# KiCad board lakemountain.kicad_pcb (continued)
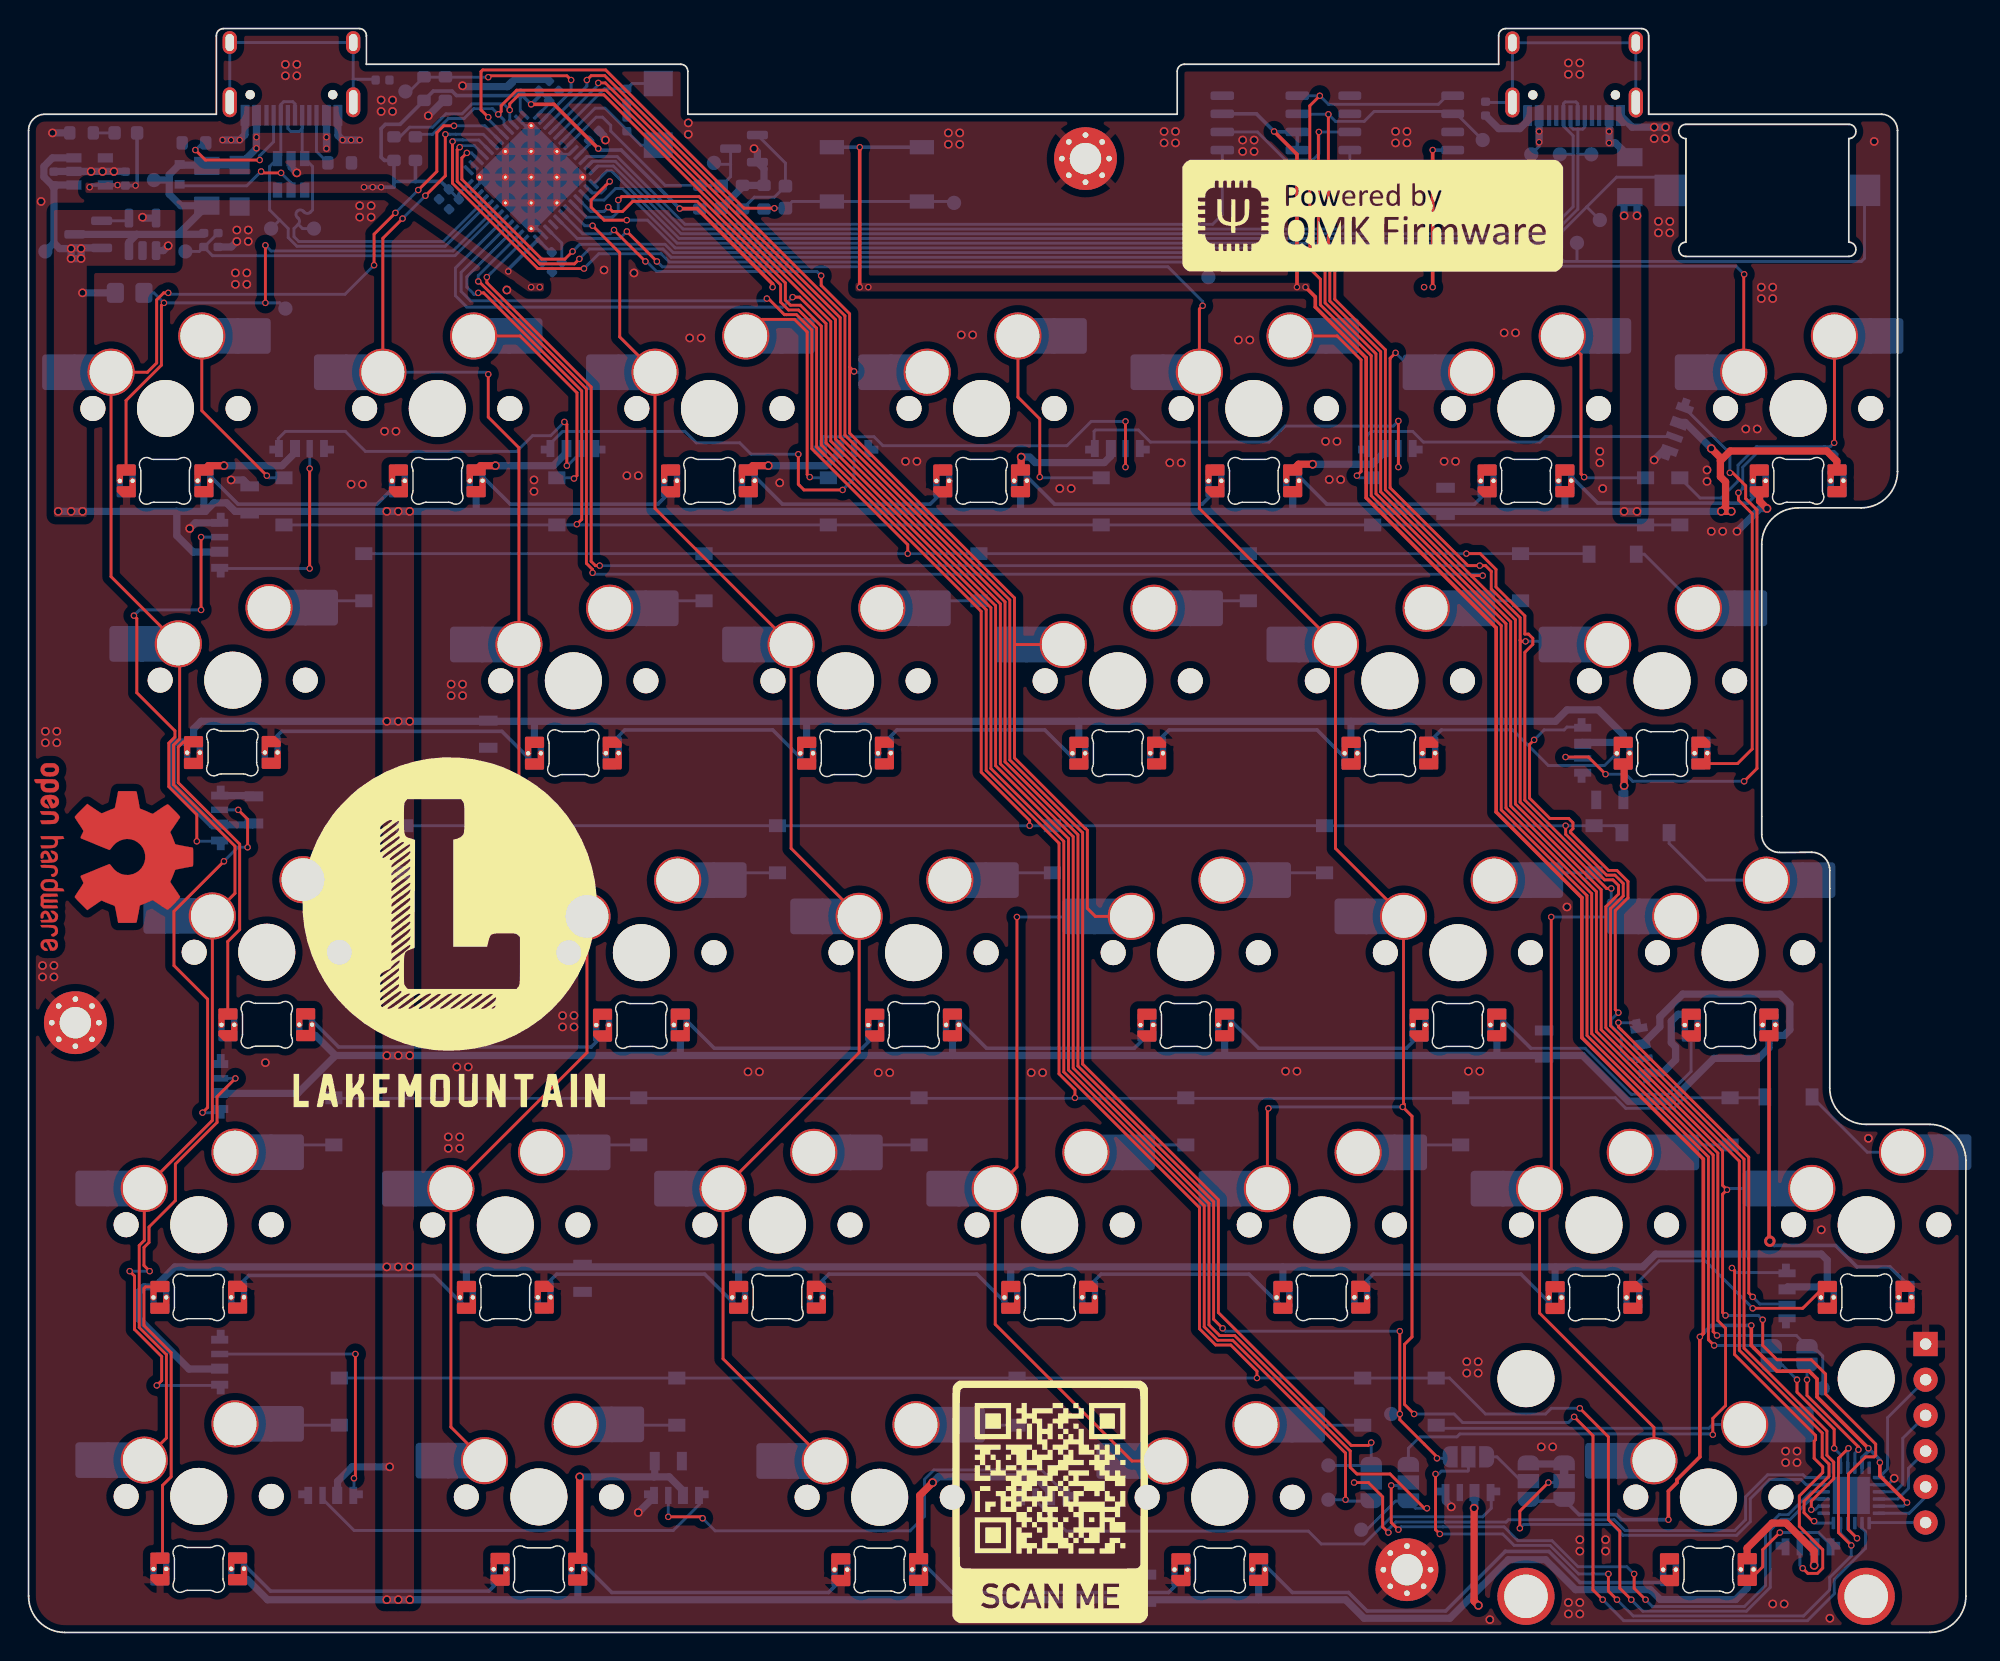
[diagram p0: board, top side]
## Footprints (pads in the part's own frame, mm; a bottom-side part is the same pattern mirrored in y, then rotated) (continued)
  round 3.988 hole 3.988 unplated: (-11.906,-8.255) (11.906,-8.255)
SW_MX_HS_1.5u
  round 1.75 hole 1.75 unplated: (-5.08,0) (5.08,0)
  round 3.988 hole 3.988 unplated: (0,0)
  round 3.3 hole 3: 1(3.81,2.54) 2(-2.54,5.08)
  rect 1.65x2.5 smd: 1(5.635,2.54) 2(-4.34,5.08)
  rrect 2.55x2.5 smd: 1(7.36,2.54) 2(-6.09,5.08)
SW_MX_HS_1.25u
  round 1.75 hole 1.75 unplated: (-5.08,0) (5.08,0)
  round 3.988 hole 3.988 unplated: (0,0)
  round 3.3 hole 3: 1(3.81,2.54) 2(-2.54,5.08)
  rect 1.65x2.5 smd: 1(5.635,2.54) 2(-4.34,5.08)
  rrect 2.55x2.5 smd: 1(7.36,2.54) 2(-6.09,5.08)
SW_MX_HS_1.75u
  round 1.75 hole 1.75 unplated: (-5.08,0) (5.08,0)
  round 3.988 hole 3.988 unplated: (0,0)
  round 3.3 hole 3: 1(3.81,2.54) 2(-2.54,5.08)
  rect 1.65x2.5 smd: 1(5.635,2.54) 2(-4.34,5.08)
  rrect 2.55x2.5 smd: 1(7.36,2.54) 2(-6.09,5.08)
SW_MX_HS_1u
  round 1.75 hole 1.75 unplated: (-5.08,0) (5.08,0)
  round 3.988 hole 3.988 unplated: (0,0)
  round 3.3 hole 3: 1(3.81,2.54) 2(-2.54,5.08)
  rect 1.65x2.5 smd: 1(5.635,2.54) 2(-4.34,5.08)
  rrect 2.55x2.5 smd: 1(7.36,2.54) 2(-6.09,5.08)
SW_SPST_TL3342
  rect 1.7x1 smd: 1(-3.15,1.9) 1(3.15,1.9) 2(-3.15,-1.9) 2(3.15,-1.9)
TestPoint_Pad_D1.0mm
  round 1 smd: 1(0,0)
USB_C_Receptacle_HRO_TYPE-C-31-M-12
  round 0.65 hole 0.65 unplated: (-2.89,2.6) (2.89,2.6)
  rect 0.6x1.45 smd: A1(-3.25,4.045) A4(-2.45,4.045) A9(2.45,4.045) A12(3.25,4.045) B1(3.25,4.045) B4(2.45,4.045) B9(-2.45,4.045) B12(-3.25,4.045)
  rect 0.3x1.45 smd: A5(-1.25,4.045) A6(-0.25,4.045) A7(0.25,4.045) A8(1.25,4.045) B5(1.75,4.045) B6(0.75,4.045) B7(-0.75,4.045) B8(-1.75,4.045)
  oval 1x1.6 hole 0.6x1.2: S1(-4.32,-1.05) S1(4.32,-1.05)
  oval 1x2.1 hole 0.6x1.7: S1(-4.32,3.13) S1(4.32,3.13)
WQFN-24-1EP_4x4mm_P0.5mm_EP2.6x2.6mm
  rrect 1.05x1.05 smd: (-0.65,-0.65) (-0.65,0.65) (0.65,-0.65) (0.65,0.65)
  rrect 0.875x0.25 smd: 1(-1.938,1.25) 2(-1.938,0.75) 3(-1.938,0.25) 4(-1.938,-0.25) 5(-1.938,-0.75) 6(-1.938,-1.25) 13(1.938,-1.25) 14(1.938,-0.75) 15(1.938,-0.25) 16(1.938,0.25) 17(1.938,0.75) 18(1.938,1.25)
  rrect 0.25x0.875 smd: 7(-1.25,-1.938) 8(-0.75,-1.938) 9(-0.25,-1.938) 10(0.25,-1.938) 11(0.75,-1.938) 12(1.25,-1.938) 19(1.25,1.938) 20(0.75,1.938) 21(0.25,1.938) 22(-0.25,1.938) 23(-0.75,1.938) 24(-1.25,1.938)
  rect 2.6x2.6 smd: 25(0,0)
X2-SMD-5.0X3.2X1.3MM
  rect 1.778x2.032 smd: 1(-2.159,0) 2(2.159,0)

## Nets
+3.3V: C3.1 C10.1 C11.1 C13.1 C14.1 C15.1 C16.1 C17.1 D3.1 JP5.3 JP6.3 R3.1 R10.1 R12.1 R13.1 SW1.2 U1.5 U1.23 U3.1 U3.9 U3.24 U3.36 U3.48 U4.3 U4.7 U4.8 U5.5 U7.8
+5V: C1.1 C6.1 C7.2 C12.1 C18.1 C19.1 C20.2 C21.1 C22.2 C23.1 F2.2 LEDa1.1 LEDa2.1 LEDa3.1 LEDa4.1 LEDa5.1 LEDa6.1 LEDa7.1 LEDb1.1 LEDb2.1 LEDb3.1 LEDb4.1 LEDb5.1 LEDb6.1 LEDc1.1 LEDc2.1 LEDc3.1 LEDc4.1 LEDc5.1 LEDc6.1 LEDd1.1 LEDd2.1 LEDd3.1 LEDd4.1 LEDd5.1 LEDd6.1 LEDd7.1 LEDe1.1 LEDe2.1 LEDe3.1 LEDe4.1 LEDe5.1 LEDs1.1 LEDs2.1 LEDs3.1 LEDs4.1 LEDs5.1 LEDs6.1 LEDs7.1 LEDs8.1 LEDs9.1 LEDs10.1 LEDs11.1 LEDs12.1 LEDs13.1 LEDs14.1 LEDs15.1 LEDs16.1 LEDs17.1 LEDs18.1 Q2.2 R5.2 T21.1 U5.1 U5.3 U6.1 U6.5
/VBUS_DETECT: R7.2 R8.1 T7.1 U3.30
GND: C1.2 C3.2 C4.2 C5.2 C6.2 C7.1 C8.2 C9.2 C10.2 C11.2 C12.2 C13.2 C14.2 C15.2 C16.2 C17.2 C18.2 C19.2 C20.1 C21.2 C22.1 C23.2 D2.2 FB1.2 FB2.2 H1.1 H2.1 H3.1 J1.A1 J1.A12 J1.B1 J1.B12 J2.A1 J2.A12 J2.B1 J2.B12 J3.1 JP5.1 JP6.1 LEDa1.4 LEDa2.4 LEDa3.4 LEDa4.4 LEDa5.4 LEDa6.4 LEDa7.4 LEDb1.4 LEDb2.4 LEDb3.4 LEDb4.4 LEDb5.4 LEDb6.4 LEDc1.4 LEDc2.4 LEDc3.4 LEDc4.4 LEDc5.4 LEDc6.4 LEDd1.4 LEDd2.4 LEDd3.4 LEDd4.4 LEDd5.4 LEDd6.4 LEDd7.4 LEDe1.4 LEDe2.4 LEDe3.4 LEDe4.4 LEDe5.4 LEDs1.4 LEDs2.4 LEDs3.4 LEDs4.4 LEDs5.4 LEDs6.4 LEDs7.4 LEDs8.4 LEDs9.4 LEDs10.4 LEDs11.4 LEDs12.4 LEDs13.4 LEDs14.4 LEDs15.4 LEDs16.4 LEDs17.4 LEDs18.4 Q1.2 R1.1 R2.1 R4.2 R6.2 R8.2 R9.2 R11.2 U1.2 U1.25 U2.2 U3.8 U3.23 U3.35 U3.47 U3.49 U4.4 U5.2 U6.2 U7.4
/audio1: LS1.2 T5.1 U3.14
/audio2: LS1.1 T6.1 U3.15
/BOOT0: C2.1 R6.1 SW1.1 T19.1 U3.44
/col0: SWa1.1 SWb1.1 SWc1.1 SWd1.1 SWe1.1 U3.43
/col1: SWa2.1 SWb2.1 SWc2.1 SWd2.1 SWe2.1 U3.42
/col2: SWa3.1 SWb3.1 SWc3.1 SWd3.1 SWe3.1 U3.18
/col3: SWa4.1 SWb4.1 SWc4.1 SWd4.1 SWe4.1 U3.19
/col4: SWa5.1 SWb5.1 SWc5.1 SWd5.1 U1.8 U3.20
/col5: SWa6.1 SWb6.1 SWc6.1 SWd6.1 SWe6.1 U3.25
/col6: SWa7.1 SWd7.1 U1.10 U3.26
/CONN_CS: JP4.1 T17.1 U3.3
/CONN_SEL: JP7.3 T16.1 U3.4
/F0: C8.1 U3.5 Y1.1
/F1: C9.1 U3.6 Y1.2
/FLASH_CS: T2.1 U3.11 U7.1
/FRAM_CS: T1.1 U3.10 U4.1
/I2C1_SCL: JP3.3 R13.2 T11.1 U3.45
/I2C1_SDA: JP4.3 R12.2 T12.1 U3.46
/NRST: C4.1 Q1.3 R10.2 T20.1 U3.7
/RGB_DATA: LEDa1.3 R5.1 T8.1 U3.31
/row0: Da1.1 Da2.1 Da3.1 Da4.1 Da5.1 Da6.1 Da7.1 U3.27
/row1: Db1.1 Db2.1 Db3.1 Db4.1 Db5.1 Db6.1 U1.12 U3.28
/row2: Dc1.1 Dc2.1 Dc3.1 Dc4.1 Dc5.1 Dc6.1 U1.14 U3.16
/row3: Dd1.1 Dd2.1 Dd3.1 Dd4.1 Dd5.1 Dd6.1 Dd7.1 U3.17
/row4: De1.1 De2.1 De3.1 De4.1 De6.1 U1.15 U3.29
/SPI_MISO: JP1.2 T14.1 U3.40 U4.2 U7.2
/SPI_MOSI: JP2.2 T13.1 U3.41 U4.5 U7.5
/SPI_SCK: JP3.1 T15.1 U3.39 U4.6 U7.6
/SPLIT_HAND_PIN: R3.2 R4.1 T18.1 U3.2
/USART2_RX: J2.A6 J2.B6 T4.1 U3.13
/USART2_TX: J2.A7 J2.B7 T3.1 U3.12
/USB_D+: J1.A6 J1.B6 T10.1 U2.3 U3.33
/USB_D-: J1.A7 J1.B7 T9.1 U2.1 U3.32
/USB_VBUS: D1.2 D2.1 F1.1 F1.2 J1.A4 J1.A9 J1.B4 J1.B9 Q2.3 R7.1 T22.1 U6.3
/USB_VBUS_IN_LINK: F2.1 J2.A4 J2.A9 J2.B4 J2.B9 T23.1
/VCAP_1: C5.1 U3.22
/x2: JP1.1 U1.22
/x3: JP2.1 U1.20
/x4: JP4.2 U1.18
/x5: JP3.2 U1.16
/z1: J3.2 U1.1
/z2: J3.3 U1.3
/z3: J3.4 U1.4
/z4: J3.5 U1.6
/z5: J3.6 U1.7
Net-(C2-Pad2): C2.2 Q1.1 R9.1
Net-(D1-Pad1): D1.1 U2.5
Net-(D3-Pad2): D3.2 R11.1
Net-(Da1-Pad2): Da1.2 SWa1.2
Net-(Da2-Pad2): Da2.2 SWa2.2
Net-(Da3-Pad2): Da3.2 SWa3.2
Net-(Da4-Pad2): Da4.2 SWa4.2
Net-(Da5-Pad2): Da5.2 SWa5.2
Net-(Da6-Pad2): Da6.2 SWa6.2
Net-(Da7-Pad2): Da7.2 SWa7.2
Net-(Db1-Pad2): Db1.2 SWb1.2
Net-(Db2-Pad2): Db2.2 SWb2.2
Net-(Db3-Pad2): Db3.2 SWb3.2
Net-(Db4-Pad2): Db4.2 SWb4.2
Net-(Db5-Pad2): Db5.2 SWb5.2
Net-(Db6-Pad2): Db6.2 SWb6.2
Net-(Dc1-Pad2): Dc1.2 SWc1.2
Net-(Dc2-Pad2): Dc2.2 SWc2.2
Net-(Dc3-Pad2): Dc3.2 SWc3.2
Net-(Dc4-Pad2): Dc4.2 SWc4.2
Net-(Dc5-Pad2): Dc5.2 SWc5.2
Net-(Dc6-Pad2): Dc6.2 SWc6.2
Net-(Dd1-Pad2): Dd1.2 SWd1.2
Net-(Dd2-Pad2): Dd2.2 SWd2.2
Net-(Dd3-Pad2): Dd3.2 SWd3.2
Net-(Dd4-Pad2): Dd4.2 SWd4.2
Net-(Dd5-Pad2): Dd5.2 SWd5.2
Net-(Dd6-Pad2): Dd6.2 SWd6.2
Net-(Dd7-Pad2): Dd7.2 SWd7.2
Net-(De1-Pad2): De1.2 SWe1.2
Net-(De2-Pad2): De2.2 SWe2.2
Net-(De3-Pad2): De3.2 SWe3.2
Net-(De4-Pad2): De4.2 SWe4.2
Net-(De6-Pad2): De6.2 SWe6.2
Net-(FB1-Pad1): FB1.1 J1.S1
Net-(FB2-Pad1): FB2.1 J2.S1
Net-(J1-PadA5): J1.A5 R1.2
Net-(J1-PadB5): J1.B5 R2.2
Net-(JP5-Pad2): JP5.2 U1.17
Net-(JP6-Pad2): JP6.2 JP7.1
Net-(JP7-Pad2): JP7.2 U1.11 U1.21
Net-(LEDa1-Pad2): LEDa1.2 LEDa2.3
Net-(LEDa2-Pad2): LEDa2.2 LEDa3.3
Net-(LEDa3-Pad2): LEDa3.2 LEDa4.3
Net-(LEDa4-Pad2): LEDa4.2 LEDa5.3
Net-(LEDa5-Pad2): LEDa5.2 LEDa6.3
Net-(LEDa6-Pad2): LEDa6.2 LEDa7.3
Net-(LEDb1-Pad3): LEDb1.3 LEDb2.2
Net-(LEDb2-Pad3): LEDb2.3 LEDb3.2
Net-(LEDb3-Pad3): LEDb3.3 LEDb4.2
Net-(LEDb4-Pad3): LEDb4.3 LEDb5.2
Net-(LEDb5-Pad3): LEDb5.3 LEDb6.2
Net-(LEDc1-Pad2): LEDc1.2 LEDc2.3
Net-(LEDc2-Pad2): LEDc2.2 LEDc3.3
Net-(LEDc3-Pad2): LEDc3.2 LEDc4.3
Net-(LEDc4-Pad2): LEDc4.2 LEDc5.3
Net-(LEDc5-Pad2): LEDc5.2 LEDc6.3
Net-(LEDd1-Pad3): LEDd1.3 LEDd2.2
Net-(LEDd2-Pad3): LEDd2.3 LEDd3.2
Net-(LEDd3-Pad3): LEDd3.3 LEDd4.2
Net-(LEDd4-Pad3): LEDd4.3 LEDd5.2
Net-(LEDd5-Pad3): LEDd5.3 LEDd6.2
Net-(LEDd6-Pad3): LEDd6.3 LEDd7.2
Net-(LEDe1-Pad2): LEDe1.2 LEDe2.3
Net-(LEDe2-Pad2): LEDe2.2 LEDe3.3
Net-(LEDe3-Pad2): LEDe3.2 LEDe4.3
Net-(LEDe4-Pad2): LEDe4.2 LEDe5.3
Net-(LEDe5-Pad2): LEDe5.2 LEDs18.3
Net-(LEDs1-Pad3): LEDs1.3 LEDs18.2
Net-(LEDs2-Pad2): LEDs2.2 LEDs3.3
Net-(LEDs2-Pad3): LEDs1.2 LEDs2.3
Net-(LEDs3-Pad2): LEDs3.2 LEDs4.3
Net-(LEDs4-Pad2): LEDs4.2 LEDs5.3
Net-(LEDs5-Pad2): LEDs5.2 LEDs6.3
Net-(LEDs6-Pad2): LEDs6.2 LEDs7.3
Net-(LEDs7-Pad2): LEDs7.2 LEDs8.3
Net-(LEDs8-Pad2): LEDs8.2 LEDs9.3
Net-(LEDs10-Pad3): LEDs9.2 LEDs10.3
Net-(LEDs11-Pad2): LEDs11.2 LEDs12.3
Net-(LEDs11-Pad3): LEDs10.2 LEDs11.3
Net-(LEDs12-Pad2): LEDs12.2 LEDs13.3
Net-(LEDs13-Pad2): LEDs13.2 LEDs14.3
Net-(LEDs14-Pad2): LEDs14.2 LEDs15.3
Net-(LEDs15-Pad2): LEDs15.2 LEDs16.3
Net-(LEDs16-Pad2): LEDs16.2 LEDs17.3
Net-(Q2-Pad1): Q2.1 U6.4

Pads without a net: J1 A8 B8; J2 A5 A8 B5 B8; LEDa7 2; LEDb1 2; LEDb6 3; LEDc1 3; LEDc6 2; LEDd1 2; LEDd7 3; LEDe1 3; LEDs17 2; U1 9 13 19 24; U2 4 6; U3 21 34 37 38; U5 4; U7 3 7

## Via types
v1: diameter 0.61, hole 0.406, Top to Bottom, 216 vias
v2: diameter 0.457, hole 0.305, Top to Bottom, 200 vias
v3: diameter 0.8, hole 0.4, Top to Bottom, 1 via

## Routing (per net, layer and track width the routed paths; a pad name or vN(x,y) marks a point on that pad's centre or on a via; arc(x,y) is an arc through that point)
+3.3V: length 250.2
  Top w0.254: v2(120.57,21.49) 120.57,20.09 122.38,18.29 124.63,18.29 125.17,17.75 125.17,16.49 v2(128.78,12.89) ; v2(89.38,94.19) 90.06,93.51 90.06,92.81 93.62,89.25 93.62,79.45 102.72,70.35 102.72,57.45 108.72,51.45 108.72,41.65 117.22,33.15 117.22,20.94 v2(116.97,20.69) 116.97,12.29 115.38,10.69 115.38,10.49 114.78,9.89 v2(114.78,7.89) ; v2(39.88,103.89) 36.77,106.99 v2(35.18,106.99) ; v2(45.57,99.69) 46.79,99.69 52.07,94.41 v2(52.07,94.19) ; v2(87.17,105.09) 88.78,103.49 v2(88.78,94.19) ; v2(129.57,11.89) 129.57,10.97 131.45,9.09 v2(131.47,9.09) ; v2(58.18,103.99) v2(58.18,94.19) ; v2(98.28,103.79) v2(98.28,94.19)
  Bottom w0.203: C15.1 36.54,96.64 U3.24 ; U3.9 39.23,104.18 C16.1 ; U1.5 131.22,8.84 v2(131.47,9.09) ; U3.1 36.43,107.04 C11.1 C10.1 ; C14.1 C17.1 30.12,100.74 30.79,101.41 U3.36 ; C13.1 34.42,106.54 U3.48
  Bottom w0.254: D3.1 7.59,101.41 v2(7.49,101.31) C3.1 6.74,101.34 U5.5 4.43,101.34 v2(4.27,101.19) ; C16.1 39.32,104.45 v2(39.88,103.89) 39.98,103.79 41.48,103.79 v2(45.57,99.69) 45.6,99.67 R10.1 ; 27.07,101.59 28.86,101.59 C14.1 ; 27.07,101.59 R13.1 ; 27.07,101.59 25.57,101.59 ; U3.24 33.57,95.43 v2(33.57,95.29) ; SW1.2 SW1.2 ; v2(129.57,11.89) 129.57,12.09 v2(128.78,12.89) 128.78,12.69 128.32,12.24 U1.23 ; 99.67,103.79 98.28,103.79 v2(98.28,103.79) ; v2(120.57,21.49) 117.78,21.49 v2(116.97,20.69) ; 83.55,106.33 85.94,106.33 87.21,105.06 U4.7 88.8,103.79 ; JP6.3 105.07,9.19 107.38,9.19 JP5.3 108.52,8.25 111.12,8.25 111.48,7.89 v2(114.78,7.89) ; v2(23.48,101.19) 25.57,101.19 R12.1 24.9,103.07 24.68,103.29 24.68,105.29 24.98,105.59 26,105.59 R3.1 28.33,107.92 29.64,107.92 29.95,107.61 34.28,107.61 C13.1 v2(35.18,106.99) 35.73,107.55 C10.1
  vias: v2(6.23,101.34) v2(24.08,101.2) v2(24.68,101.19) v2(35.18,94.19) v2(35.77,94.19) v2(58.77,94.19) v2(97.67,94.19)
+5V: length 778.5
  Top w0.508: LEDe5.1 120.28,5.9 122.04,7.65 123.01,7.65 124.97,5.69 v1(124.97,4.69) ; v1(101.47,1.89) 101.17,2.19 v1(101.17,8.69) ; LEDe2.1 38.57,5.31 v1(38.57,10.89) ; v1(117.78,82.89) 118.41,82.25 118.41,82.03 ; LEDa7.1 126.57,82.01 125.86,82.72 119.1,82.72 118.41,82.03 ; v1(51.77,81.69) 50.69,81.69 LEDa3.1 ; v1(111.67,59.29) 111.67,60.77 LEDb6.1 ; v1(69.47,82.29) 69.47,81.43 LEDa4.1 ; LEDa2.1 31.64,81.69 v1(32.68,81.69) ; v1(89.88,81.79) 88.89,81.79 LEDa5.1 ; v1(63.27,10.49) 62.38,9.59 62.38,5.23 LEDe3.1 ; 118.41,82.03 118.41,80.92 118.78,80.56 118.78,78.79 v1(118.47,78.49) v1(119.17,78.49) ; LEDa1.1 12.59,81.69 v1(13.68,81.69)
  Bottom w0.5: 14.63,3.7 15.32,3.7 16.72,2.29 ; 9.18,24.22 9.18,24.54 10.24,25.59 ; 107.53,79.88 107.53,78.55 ; 83.72,41.78 83.72,40.39 ; 45.62,41.78 45.62,40.64 ; 30.64,24.22 30.64,25.46 ; 86.1,2.29 86.1,3.65 ; 21.49,40.39 20.08,41.8 19.4,41.8 ; 50.38,79.88 50.38,78.49 ; 38.44,3.67 38.44,2.52 ; 121.82,41.24 121.82,41.78 ; 113.07,25.69 113.88,26.49 125.47,26.49 125.89,26.08 125.89,24.22 ; 31.33,79.88 31.33,78.54 ; 69.43,79.88 69.43,78.49 ; 35.41,62.32 35.41,63.62 ; 68.74,24.22 68.74,25.33 ; 103.57,5.09 106.17,5.09 108.28,2.99 113.51,2.99 114.2,2.31 119.49,2.31 120.3,3.12 120.3,3.65 ; 87.79,24.22 87.79,25.58 87.78,25.59 ; 64.67,41.78 64.67,40.39 ; 73.51,62.32 73.51,63.79 ; 54.46,62.32 54.46,63.67 ; 92.56,62.32 92.56,63.79 ; 106.84,24.2 106.84,25.59 ; 88.48,79.88 88.48,78.8 ; 102.77,41.78 102.77,40.39 ; 49.69,24.22 49.69,25.31 ; 62.3,3.65 62.3,2.52 ; 110.92,62.32 111.61,62.32
  Bottom w0.508: LEDa1.1 12.27,78.6 12.38,78.49 ; U5.1 1.81,101.34 C1.1 ; LEDd7.1 123.13,24.2 LEDs1.1 ; LEDs2.1 112.95,41.19 114.17,42.41 114.17,43.09 115.78,44.69 122.57,44.69 123.28,43.99 123.28,42.19 122.88,41.8 LEDc6.1 ; LEDs16.1 71.53,9.81 70.44,10.89 63.68,10.89 v1(63.27,10.49) ; v1(3.68,96.89) v1(3.68,96.19) v1(2.98,96.19) v1(2.98,96.89) ; v1(2.98,96.89) 3.02,96.94 Q2.2 ; v1(2.98,96.89) 2.18,96.89 1.77,97.29 ; LEDs14.1 21.63,10.58 22.64,11.59 v1(25.27,11.59) ; 100.82,2.34 103.57,5.09 ; 100.82,2.34 101.03,2.34 v1(101.47,1.89) ; 100.82,2.34 99.47,0.99 93.47,0.99 92.18,2.29 16.73,2.29 16.72,2.29 ; LEDs6.1 75.72,82.34 75.29,81.91 70.46,81.91 70.07,82.29 v1(69.47,82.29) ; v1(9.77,97.09) 9.44,96.75 U6.1 ; 121.82,41.24 121.82,40.94 121.07,40.19 117.96,40.19 114.96,37.19 111.98,37.19 108.78,40.39 21.49,40.39 18.84,37.74 LEDs12.1 ; 43.77,10.89 44.84,10.89 45.82,9.91 LEDs15.1 ; 43.77,10.89 43.82,10.94 C7.2 ; 43.77,10.89 v1(38.57,10.89) ; 1.77,97.29 C1.1 ; 1.77,97.29 T21.1 ; C1.1 1.68,101.31 1.07,101.91 1.07,102.65 1.67,103.24 U5.3 ; LEDd1.1 8.08,24.2 7.68,23.79 7.68,21.99 11.23,18.44 LEDs13.1 ; v1(13.68,81.69) 17.74,81.69 18.63,82.58 LEDs9.1 ; v1(51.77,81.69) 55.84,81.69 56.73,82.58 LEDs7.1 ; LEDs10.1 11.52,75.64 10.38,76.79 10.38,78.49 ; v1(118.47,78.49) v1(119.17,78.49) v1(26.68,78.49) 14.45,78.49 13.85,79.09 12.98,79.09 12.38,78.49 ; LEDs3.1 108.75,62.32 110.92,62.32 ; v1(7.98,99.09) 8.04,99.03 U6.5 ; 10.24,25.59 112.97,25.59 113.07,25.69 ; LEDs18.1 125.03,4.74 v1(124.97,4.69) ; LEDs5.1 94.82,82.58 94.04,81.79 v1(89.88,81.79) ; LEDs4.1 115.95,84.72 v1(117.78,82.89) ; 12.38,78.49 10.38,78.49 ; 10.38,78.49 v1(2.07,78.49) ; v1(112.57,99.19) 112.57,100 F2.2 111.67,100.1 v1(111.67,99.19) ; v1(32.68,81.69) 36.74,81.69 37.63,82.58 LEDs8.1 ; LEDs17.1 101.22,8.74 v1(101.17,8.69) ; R5.2 v1(3.77,93.79) ; LEDb6.1 111.62,62.85 109.88,64.59 107.67,64.59 106.88,63.79 v1(25.07,63.79) 12.07,63.79 11.55,63.27 LEDb1.1 10.22,62.34 10.07,62.19 10.07,59.29 12.82,56.54 LEDs11.1 15.68,56.54 C12.1 ; C6.1 111.67,58.34 v1(111.67,59.29)
  vias: v1(2.98,78.49) v1(3.77,78.49) v1(25.07,78.49) v1(25.07,40.39) v1(25.07,25.59) v1(25.07,2.29) v1(25.88,78.49) v1(25.88,63.79) v1(25.88,40.39) v1(25.88,25.59) v1(25.88,2.29) v1(26.68,63.79) v1(26.68,40.39) v1(26.68,25.59) v1(26.68,2.29) v1(111.67,78.49) v1(112.57,78.49)
/VBUS_DETECT: length 24.9
  Bottom w0.203: R7.2 12.29,97.01 R8.1 ; R7.2 11.95,96.69 T7.1 ; R7.2 12.87,96.4 29.84,96.4 32.73,99.29 U3.30
GND: length 70.9
  Top w0.508: LEDa7.4 121.16,79.21 v1(121.67,78.69)
  Bottom w0.203: U3.8 37.84,103.49 37.18,103.49 U3.49 ; v1(130.57,10.79) 130.12,10.34 U1.2 128.32,10.34 U1.25 ; U3.49 34.75,105.5 U3.47 ; U3.23 35.6,98.29 U3.49 ; U3.49 31.57,101.47 U3.35
  Bottom w0.508: LEDs17.4 99.17,9.19 v1(99.57,8.79) ; v1(14.18,80.69) 15.02,80.69 C18.2 ; v1(27.98,106.19) 29.05,107.27 R4.2 ; v1(42.68,8.39) 43.77,9.49 LEDs15.4 ; v1(114.57,105.39) 112.24,105.39 J2.A12 ; C16.2 40.26,104.79 40.26,104.61 v1(40.38,104.49) ; v1(30.38,108.29) 30.44,108.23 33.53,108.23 C13.2 34.05,108.75 36.3,108.75 C10.2 ; v1(14.57,97.39) 14.19,97.01 R8.2 ; C4.2 49.98,101.22 49.98,101.32 51.48,101.32 51.48,102.48 Q1.2 51.01,103.66 v1(50.77,103.89) ; C3.2 6.76,102.29 U5.2 1.79,102.29 C1.2 ; J1.A1 15.15,104.87 v2(14.77,104.49) v2(13.57,104.49) ; v1(18.77,102.19) 18.38,102.59 U2.2 ; v1(113.78,82.09) 114.47,82.79 LEDs4.4 ; FB2.2 102.89,105.29 104.38,105.29 104.92,105.84 J2.A1 ; R11.2 v1(1.68,104.99) ; v1(121.67,78.69) 121.17,78.69 v1(119.57,77.09) ; C8.2 C9.2 ; v2(23.18,104.49) v2(22.57,104.49) v2(21.98,104.49) 21.65,104.82 J1.A12 ; LEDc6.4 115.46,43.28 114.97,42.79 114.97,41.29 115.28,40.99 115.28,40.09 114.35,39.17 LEDs2.4 ; JP6.1 105.07,11.79 107.38,11.79 JP5.1 ; LEDs10.4 11.68,77.69 v1(11.27,77.29) ; C12.2 15.73,58.59 LEDs11.4
  vias: v1(0.88,100.19) v1(0.98,46.69) v1(0.98,45.89) v1(1.18,63.09) v1(1.18,62.29) v1(1.77,46.69) v1(1.77,45.89) v1(1.98,63.09) v1(1.98,62.29) v1(4.38,102.29) v1(5.18,102.29) v1(5.98,102.29) v1(14.48,95.19) v1(14.48,94.39) v1(14.57,98.19) v1(15.27,95.19) v1(15.27,94.39) v1(15.38,98.19) v1(15.38,97.39) v1(16.57,39.89) v1(17.98,109.79) v1(17.98,108.99) v1(18.77,109.79) v1(18.77,108.99) v1(22.57,80.39) v1(23.18,99.89) v1(23.18,99.09) v1(23.38,80.39) v1(23.98,99.89) v1(23.98,99.09) v1(24.68,107.29) v1(24.68,106.49) v1(24.91,84.1) v1(25.48,107.29) v1(25.48,106.49) v1(25.71,84.1) v1(29.38,34.69) v1(29.38,33.89) v1(29.57,66.39) v1(29.57,65.59) v1(29.98,39.59) v1(30.18,34.69) v1(30.18,33.89) v1(30.38,66.39) v1(30.38,65.59) v1(30.77,39.59) v1(33.48,93.99) v1(35.38,80.69) v1(35.38,79.89) v1(37.38,43.19) v1(37.38,42.39) v1(38.18,43.19) v1(38.18,42.39) v1(40.27,95.39) v1(41.88,80.99) v1(42.37,95.19) v1(42.68,80.99) v1(46.18,105.69) v1(46.18,104.89) v1(46.27,90.64) v1(47.07,90.64) v1(50.35,39.25) v1(51.15,39.25) v1(52.57,80.49) v1(59.48,39.19) v1(60.27,39.19) v1(61.38,81.99) v1(62.18,81.99) v1(64.38,104.99) v1(64.38,104.19) v1(65.17,104.99) v1(65.17,104.19) v1(65.28,90.85) v1(66.08,90.85) v1(70.17,39.19) v1(70.97,39.19) v1(72.17,80.09) v1(72.97,80.09) v1(79.47,105.09) v1(79.47,104.29) v1(79.88,81.89) v1(80.28,105.09) v1(80.28,104.29) v1(80.67,81.89) v1(84.67,90.49) v1(84.97,104.49) v1(84.97,103.69) v1(85.47,90.49) v1(85.78,104.49) v1(85.78,103.69) v1(87.97,39.29) v1(88.78,39.29) v1(90.78,83.39) v1(91.04,80.72) v1(91.57,83.39) v1(91.84,80.72) v1(95.67,105.09) v1(95.67,104.29) v1(96.47,105.09) v1(96.47,104.29) v1(99.07,81.99) v1(99.88,81.99) v1(100.66,18.96) v1(100.66,18.16) v1(100.78,39.29) v1(101.46,18.96) v1(101.46,18.16) v1(101.57,39.29) v1(102.28,0.89) v1(103.28,90.99) v1(104.07,90.99) v1(105.88,12.99) v1(106.67,12.99) v1(107.67,50.79) v1(107.78,109.89) v1(107.78,109.09) v1(107.78,2.09) v1(107.78,1.29) v1(108.57,109.89) v1(108.57,109.09) v1(108.57,6.49) v1(108.57,5.69) v1(108.57,2.09) v1(108.57,1.29) v1(109.97,82.69) v1(109.97,81.89) v1(110.17,80.09) v1(110.38,6.49) v1(110.38,5.69) v1(113.78,105.39) v1(113.78,104.59) v1(114.07,98.79) v1(114.07,97.99) v1(114.57,104.59) v1(114.88,98.79) v1(114.88,97.99) v1(117.47,81.39) v1(117.47,80.59) v1(117.78,77.09) v1(118.57,77.09) v1(120.19,84.26) v1(120.99,84.26) v1(121.28,94.19) v1(121.28,93.39) v1(122.07,94.19) v1(122.07,93.39) v1(122.07,1.99) v1(122.88,1.99) v1(122.97,12.69) v1(122.97,11.89) v1(123.78,12.69) v1(123.78,11.89) v1(125.47,28.19) v1(126.07,0.99) v1(128.78,34.59) v1(129.17,104.39) v2(14.18,104.49)
/audio1: length 101.1
  Top w0.203: v2(40.68,101.59) 39.38,100.29 39.38,99.79 40.28,98.89 v2(41.87,98.89)
  Bottom w0.203: U3.14 39.46,100.79 40.07,100.79 40.39,101.11 40.39,101.31 v2(40.68,101.59) ; T5.1 108.38,96.09 ; v2(41.87,98.89) 43.32,98.89 45.26,96.94 106.53,96.94 107.47,95.99 128.28,95.99 128.5,96.22 LS1.2
/audio2: length 81.7
  Bottom w0.203: 109.06,99.81 106.52,97.27 45.39,97.27 41.57,101.09 41.07,101.09 40.27,100.29 39.25,100.29 U3.15 ; 109.06,99.81 T6.1 ; 109.06,99.81 111.14,101.89 113.97,101.89 LS1.1
/BOOT0: length 42.9
  Top w0.203: v2(32.18,106.09) 31.67,106.6 31.67,109.29 31.78,109.4 40.39,109.4 50.07,99.72 v2(52.2,99.72)
  Bottom w0.203: 64.47,100.19 SW1.1 SW1.1 53.45,100.19 C2.1 51.52,99.72 R6.1 ; U3.44 32.18,105.95 v2(32.18,106.09)
/col0: length 124.6
  Top w0.203: v2(9.77,93.79) 9.46,93.79 8.97,93.3 8.97,88.89 8.32,88.24 SWa1.1 5.77,73.92 SWb1.1 10.57,69.12 10.57,62.56 10.14,62.13 10.14,59.36 14.44,55.06 14.44,51.75 SWc1.1 12.86,35.85 SWd1.1 8.1,27.44 7.74,27.09 7.74,21.36 9.65,19.45 9.65,13.61 SWe1.1 ; v2(24.18,95.73) 24.18,97.9 v2(25.68,99.39) ; v2(27.27,100.99) 28.57,102.29 28.57,105.01 29.06,105.49 v2(29.77,105.49)
  Bottom w0.203: v2(24.18,95.73) 22.15,93.69 9.88,93.69 v2(9.77,93.79) ; v2(27.27,100.99) v2(25.68,99.39) ; v2(29.77,105.49) 31.93,105.49 U3.43
/col1: length 113.5
  Top w0.203: SWe2.1 29.56,14.38 SWd2.1 39.08,40.6 SWc2.1 34.32,54.9 SWb2.1 34.32,82.95 32.18,85.09 v2(32.18,88.09) ; v2(26.18,98.99) 24.8,97.61 SWa2.1 ; v2(29.18,104.89) 29.17,104.89 29.17,101.99 v2(27.77,100.59)
  Bottom w0.203: SWa2.1 32.03,88.24 v2(32.18,88.09) ; v2(29.18,104.89) 29.46,104.89 29.46,104.9 29.89,104.9 29.89,104.89 31.82,104.89 32.57,104.15 U3.42 ; v2(26.18,98.99) v2(27.77,100.59)
/col2: length 103.3
  Top w0.203: SWe3.1 48.61,19.16 SWd3.1 58.13,40.6 SWc3.1 53.37,54.9 SWb3.1 43.85,78.7 SWa3.1 41.38,90.71 41.38,96.59 v2(39.48,98.49)
  Bottom w0.203: v2(39.48,98.49) 38.93,98.49 U3.18
/col3: length 130.3
  Top w0.203: v2(55.48,94.99) 55.48,94.32 57.47,92.33 57.47,88.6 ; SWb4.1 69.05,69.17 69.01,69.12 ; 69.01,69.12 69.01,72.43 57.47,83.97 57.47,88.6 ; 69.01,69.12 69.01,61.23 73.94,56.29 73.97,56.29 74.11,56.16 74.11,50.69 74.66,50.14 SWc4.1 ; v2(69.17,50.09) 69.17,32.59 SWd4.1 67.66,21.57 77.23,12 SWe4.1 ; 57.47,88.6 v2(57.77,88.29) ; v2(43.18,95.99) v2(40.98,98.19)
  Bottom w0.203: v2(57.77,88.29) 57.83,88.24 SWa4.1 ; v2(69.17,50.09) 73.59,50.09 SWc4.1 ; U3.19 38.78,97.93 40.71,97.93 v2(40.98,98.19) ; v2(55.48,94.99) 55.18,95.29 43.96,95.29 43.26,95.99 v2(43.18,95.99)
/col4: length 196.5
  Top w0.203: v2(43.98,95.99) v2(41.88,98.09) ; v2(110.17,2.29) 109.49,2.97 109.49,13.77 v2(108.17,15.09) ; v2(96.97,15.29) 96.31,15.96 96.31,20.17 96.83,20.69 96.83,36.14 v2(96.17,36.79) 96.28,36.89 96.28,36.99 96.23,37.04 SWc5.1 91.47,54.9 SWb5.1 81.95,78.7 SWa5.1 81.95,92.66 v2(82.17,92.89) ; v2(86.78,36.69) 86.71,36.63 SWd5.1
  Bottom w0.203: v2(96.17,36.79) 86.88,36.79 v2(86.78,36.69) ; v2(108.17,15.09) 107.78,14.69 100.38,14.69 99.78,15.29 v2(96.97,15.29) ; v2(110.17,2.29) 111.64,0.82 124.51,0.82 126.39,2.71 126.39,3.71 128.57,5.89 128.57,7.05 128.32,7.3 U1.8 ; v2(82.17,92.89) 82.17,93.19 79.75,95.62 44.35,95.62 v2(43.98,95.99) ; U3.20 38.4,97.6 41.38,97.6 v2(41.88,98.09)
/col5: length 188.2
  Top w0.203: v2(110.78,52.09) 110.44,52.09 104.4,58.14 104.4,69.47 ; v2(95.67,89.59) 95.3,89.21 95.3,80.14 100.74,74.69 v2(101.57,74.69) 101.97,74.69 102.38,74.29 102.38,73.06 104.4,71.04 104.4,69.47 ; v2(104.78,69.39) 104.47,69.39 104.4,69.47 ; v2(106.57,50.09) 106.57,31.89 SWd6.1 105.76,22.36 113.76,14.35 SWe6.1 ; v2(32.07,94.89) 32.07,94.5 39.38,87.2 39.38,74.99 39.68,74.69 v2(39.98,74.69)
  Bottom w0.203: v2(104.78,69.39) 106.75,69.39 SWb6.1 ; SWa6.1 97.03,88.24 v2(95.67,89.59) ; v2(32.07,94.89) 34.36,97.18 34.36,97.19 U3.25 ; v2(39.98,74.69) v2(101.57,74.69) ; v2(110.78,52.09) 110.78,51.09 SWc6.1 111.69,50.09 v2(106.57,50.09)
/col6: length 240.9
  Top w0.203: v2(31.48,94.59) 31.52,94.59 39.04,87.07 39.04,74.86 39.48,74.43 v2(39.48,74.19) ; SWa7.1 120.05,95.06 v2(120.07,95.09) ; v2(118.78,22.19) 118.57,22.4 118.57,30.68 v2(118.88,30.99) 118.57,31.3 118.57,33.7 110.07,42.2 110.07,52 104.07,58 104.07,70.9 101.03,73.94 ; v2(121.38,21.89) 121.38,20.09 122.38,19.09 124.78,19.09 125.78,18.09 125.78,16.69 129.28,13.19 129.28,12.4 129.17,12.29 128.57,12.29 127.38,11.09 127.38,7.19 v2(127.97,6.59) ; 101.03,73.94 101.07,73.99 v2(101.78,73.99) ; 101.03,73.94 94.97,80 94.97,89.8 91.43,93.34 91.43,95.74 v2(91.67,95.99)
  Bottom w0.203: v2(120.07,95.09) 119.51,95.66 107.34,95.66 106.39,96.61 92.29,96.61 v2(91.67,95.99) ; v2(118.78,22.19) 118.78,22.19 121.08,22.19 v2(121.38,21.89) ; v2(39.48,74.19) 39.57,74.09 101.78,74.09 v2(101.78,73.99) ; U3.26 31.48,95.01 v2(31.48,94.59) ; SWd7.1 118.97,31.09 v2(118.88,30.99) ; U1.10 127.32,7.24 v2(127.97,6.59)
/CONN_CS: length 129.2
  Top w0.203: v2(93.97,13.29) 93.78,13.09 92.57,13.09 83.28,22.39 83.28,30.29 73.78,39.79 73.78,55.99 68.67,61.09 68.67,72.29 57.14,83.83 57.14,92.19 48.2,101.12 40.32,109 39.38,109 v2(39.07,108.69)
  Bottom w0.203: v2(93.97,13.29) JP4.1 93.88,11.69 T17.1 ; v2(39.07,108.69) 39.07,108.27 U3.3
/CONN_SEL: length 134.2
  Top w0.203: v2(95.97,21.09) 95.97,14.89 98.57,12.29 v2(98.57,12.19) ; v2(83.57,21.29) 82.94,21.92 82.94,30.16 73.44,39.66 73.44,55.86 68.34,60.96 68.34,72.16 56.81,83.7 56.81,92.05 40.37,108.49 v2(39.88,108.49)
  Bottom w0.203: v2(95.97,15.29) T16.1 ; JP7.3 99.38,12.19 v2(98.57,12.19) ; v2(83.57,21.29) 83.78,21.09 v2(95.97,21.09) ; v2(39.88,108.49) 39.88,108.36 U3.4
/F0: length 8.5
  Bottom w0.203: Y1.1 42.25,108.45 C8.1 40.3,108.08 U3.5
/F1: length 8.7
  Bottom w0.203: Y1.2 42.85,104.13 C9.1 41.88,105.19 40.34,106.72 39.65,106.72 U3.6
/FLASH_CS: length 61.8
  Bottom w0.203: 92.47,101.69 92.47,103.79 ; 92.47,101.69 92.47,98.89 91.84,98.26 45.81,98.26 41.07,103 39.47,103 U3.11 ; 92.47,101.69 92.57,101.79 T2.1
/FRAM_CS: length 52.8
  Bottom w0.203: 83.55,102.12 83.67,101.99 T1.1 ; 83.55,102.12 83.55,103.79 ; 83.55,102.12 83.55,99.27 82.88,98.59 45.94,98.59 41.2,103.33 39.09,103.33 U3.10
/I2C1_SCL: length 147.5
  Top w0.203: v2(32.88,106.29) 33.07,106.49 33.07,106.89 34.17,107.99 40.41,107.99 56.48,91.92 56.48,83.56 68.01,72.02 68.01,60.82 73.11,55.72 73.11,39.52 82.61,30.02 82.61,21.54 83.36,20.79 84.42,20.79 92.51,12.7 92.51,11.56 92.97,11.09 95.29,11.09 97.69,8.69 v2(97.88,8.69)
  Bottom w0.203: T11.1 93.67,7.19 95.67,9.19 JP3.3 97.07,8.69 v2(97.88,8.69) ; R13.2 27.25,104.89 28.27,104.89 29.38,106 30.48,106 31.18,106.69 32.48,106.69 33.27,105.89 33.27,105.56 U3.45
/I2C1_SDA: length 141.2
  Top w0.203: v2(33.68,106.59) 33.68,107.03 34.3,107.66 40.27,107.66 56.14,91.78 56.14,83.42 67.68,71.88 67.68,60.68 72.78,55.58 72.78,39.38 82.28,29.88 82.28,21.4 83.23,20.46 84.28,20.46 92.17,12.56 v2(92.17,9.29)
  Bottom w0.203: JP4.3 92.28,9.19 v2(92.17,9.29) T12.1 ; R12.2 25.99,104.72 26.67,105.39 28.27,105.39 29.21,106.33 30.35,106.33 31.04,107.02 33.24,107.02 v2(33.68,106.59) 33.68,105.89 33.98,105.59 U3.46
/NRST: length 17.7
  Bottom w0.203: 48.07,102.79 49.1,102.79 49.14,102.76 ; 49.14,102.76 49.14,101.93 C4.1 48.43,101.32 44.55,101.32 40.74,105.12 40.74,105.52 40.18,106.09 39.73,106.09 U3.7 ; 49.14,102.76 Q1.3
/RGB_DATA: length 44.6
  Top w0.203: v2(9.48,93.09) 9.3,92.92 9.3,88.73 6.82,86.26 LEDa1.3 ; v2(16.57,93.09) v2(16.57,97.12)
  Bottom w0.203: U3.31 32.57,99.59 29.71,96.73 16.97,96.73 v2(16.57,97.12) ; R5.1 8.77,93.79 v2(9.48,93.09) v2(16.57,93.09) 17.57,93.09 T8.1
/row0: length 123.7
  Top w0.203: v2(38.38,77.59) 38.71,77.93 38.71,86.93 31.85,93.79 v2(31.48,93.79)
  Bottom w0.203: U3.27 30.68,94.92 30.68,94.19 31.18,93.69 31.38,93.69 v2(31.48,93.79) ; Da1.1 Da7.1
/row1: length 219.1
  Top w0.203: v2(124.97,7.79) 124.86,7.79 124.27,8.38 124.27,9.19 126.01,10.93 126.01,11.79 125.54,12.27 125.54,13.97 119.74,19.77 119.74,33 110.4,42.34 110.4,50.81 111.28,51.7 111.28,52.3 110.89,52.69 110.31,52.69 104.73,58.28 104.73,68.63 105.28,69.18 105.28,69.6 104.99,69.9 104.73,69.9 104.73,71.18 102.71,73.2 102.71,74.43 101.6,75.53 v2(100.63,75.53) ; v2(51.68,93.39) 51.77,93.39 52.9,92.27 53.75,92.27 54.82,91.19 54.82,82.88 61.53,76.17 v2(61.53,75.53)
  Bottom w0.203: U1.12 125.11,7.66 v2(124.97,7.79) ; v2(51.68,93.39) 51.52,93.24 30.93,93.24 30.27,93.89 30.27,95.23 U3.28 ; Db1.1 Db5.1 109.18,75.53 Db6.1
/row2: length 206.7
  Top w0.203: v2(107.58,56.48) 107.58,55.89 110.45,53.02 111.03,53.02 111.61,52.44 111.61,51.57 110.73,50.68 110.73,42.48 120.07,33.14 120.07,19.9 125.87,14.1 125.87,12.4 126.34,11.92 126.34,10.76 124.78,9.19 v2(124.78,8.59) ; v2(70.07,56.48) 70.07,56.85 66.67,60.24 66.67,71.49 55.15,83.01 55.15,91.33 53.88,92.6 53.19,92.6 52.64,93.15 52.64,94.35 46.79,100.2 42.28,100.2 41.57,99.49 40.88,99.49 v2(40.57,99.79)
  Bottom w0.203: Dc1.1 Dc5.1 111.03,56.48 Dc6.1 ; v2(40.57,99.79) 40.27,99.49 39.34,99.49 U3.16 ; U1.14 125.29,8.84 125.04,8.59 v2(124.78,8.59)
/row3: length 185.5
  Top w0.203: v2(41.27,100.29) 41.51,100.53 46.93,100.53 52.97,94.49 52.97,93.28 53.32,92.93 54.02,92.93 55.48,91.46 55.48,83.15 67.02,71.61 67.02,60.36 72.12,55.26 72.12,39.11 73.23,38 v2(73.23,37.43)
  Bottom w0.203: 21.37,37.43 21.41,37.39 100.19,37.39 100.23,37.43 111.05,37.43 111.79,36.69 115.14,36.69 115.88,37.43 121.47,37.43 Dd7.1 ; v2(41.27,100.29) 41.27,99.49 40.88,99.09 39.04,99.09 U3.17
/row4: length 243.3
  Top w0.203: v2(112.17,2.29) 111.38,3.09 111.38,7.09 110.57,7.89 110.57,13.69 v2(108.57,15.69) ; v2(85.97,17.81) 85.97,18.29 84.14,20.13 83.09,20.13 81.95,21.26 81.95,29.75 72.45,39.25 72.45,55.39 67.35,60.49 67.35,71.75 55.81,83.29 55.81,91.64 53.96,93.49 v2(53.48,93.49)
  Bottom w0.203: v2(53.48,93.49) 52.77,92.79 30.68,92.79 29.88,93.59 29.88,95.53 U3.29 ; v2(108.57,15.69) 106.57,15.69 106.17,15.29 101.97,15.29 99.46,17.81 De6.1 De1.1 ; v2(112.17,2.29) 112.98,1.49 120.23,1.49 121.91,3.16 121.91,7.16 122.67,7.92 123.3,7.92 124.72,9.34 U1.15
/SPI_MISO: length 185.6
  Top w0.203: v2(30.18,103.99) 30,103.82 30,101.6 35.78,95.82 38.21,95.82 v2(38.55,96.17) ; v2(118.17,20.79) 117.91,21.06 117.91,33.43 109.41,41.93 109.41,51.73 103.41,57.73 103.41,70.63 94.31,79.73 94.31,89.53 90.74,93.09 90.74,95.32 v2(90.28,95.79) 90.28,105.02 v2(90.31,105.06)
  Bottom w0.203: v2(90.28,95.79) 89.79,96.28 44.98,96.28 44.4,96.86 39.24,96.86 v2(38.55,96.17) ; U7.2 v2(90.31,105.06) 90.31,103.53 89.88,103.09 87.97,103.09 86.01,105.06 U4.2 ; v2(30.18,103.99) 30.28,104.1 31.2,104.1 U3.40 ; v2(118.17,20.79) 123.72,20.79 JP1.2 124.89,20.04 125.57,19.36 T14.1
/SPI_MOSI: length 185.2
  Top w0.203: v2(117.97,20.09) 117.57,20.49 117.57,33.29 109.07,41.79 109.07,51.59 103.07,57.59 103.07,70.49 93.97,79.59 93.97,89.39 90.41,92.95 90.41,94.75 v2(89.47,95.69) 89.67,95.89 89.67,106.89 v2(90.38,107.59) ; v2(29.68,104.39) 29.67,104.39 29.67,101.47 35.64,95.49 v2(38.88,95.49)
  Bottom w0.203: 82.63,95.95 82.57,95.89 T13.1 ; 82.63,95.95 44.85,95.95 44.27,96.53 39.91,96.53 v2(38.88,95.49) ; 82.63,95.95 89.47,95.95 v2(89.47,95.69) ; v2(117.97,20.09) 121.92,20.09 JP2.2 ; U3.41 31.51,104.49 30.39,104.49 30.39,104.5 29.78,104.5 v2(29.68,104.39) ; U4.5 88.81,107.59 v2(90.38,107.59) 90.97,106.99 98.67,106.99 99.28,107.6 U7.5
/SPI_SCK: length 208.4
  Top w0.203: v2(117.88,13.85) 117.88,14.99 118.78,15.88 118.78,21.29 118.24,21.83 118.24,33.57 109.74,42.07 109.74,51.87 103.74,57.87 103.74,70.77 94.64,79.87 94.64,89.67 91.07,93.23 91.07,95.89 v2(90.97,95.99) v2(90.97,106.29) ; v2(30.68,103.59) 30.33,103.25 30.33,101.74 35.91,96.15 37.54,96.15 v2(38.07,96.69)
  Bottom w0.203: U3.39 31,103.59 v2(30.68,103.59) ; T15.1 99.94,106.33 99.67,106.33 99.51,106.49 94.17,106.49 93.48,105.8 91.47,105.8 v2(90.97,106.29) 88.84,106.29 88.8,106.33 ; JP3.1 96.57,12.89 97.38,13.69 99.97,13.69 100.18,13.9 117.83,13.9 v2(117.88,13.85) ; v2(38.07,96.69) 38.57,97.19 44.54,97.19 45.12,96.61 90.36,96.61 v2(90.97,95.99)
/SPLIT_HAND_PIN: length 15.8
  Top w0.203: v2(32.18,108.89) 32.27,108.99 37.68,108.99 v2(37.98,108.69)
  Bottom w0.203: v2(32.18,108.89) 27.7,108.89 27.68,108.92 26.65,107.89 T18.1 ; U3.2 36.01,105.93 37.98,107.89 v2(37.98,108.69)
/USART2_RX: length 81.4
  Bottom w0.203: J2.A6 107.92,105.44 108.11,105.26 108.44,105.26 ; 108.44,103.56 108.5,103.49 T4.1 ; 108.44,103.56 108.44,105.26 ; 108.44,103.56 108.44,99.66 106.38,97.6 45.53,97.6 40.79,102.34 40.49,102.34 U3.13 ; 108.44,105.26 108.78,105.26 108.92,105.41 J2.B6
/USART2_TX: length 81.8
  Bottom w0.203: J2.A7 108.42,107.04 108.3,107.16 107.55,107.16 107.42,107.04 J2.B7 107.42,105.48 108.11,104.8 108.11,103.43 ; T3.1 108.04,103.49 108.11,103.43 ; U3.12 39.84,102.67 40.93,102.67 45.67,97.93 106.21,97.93 108.11,99.83 108.11,103.43
